# Altium PCB FMC_ADC_130M_16B_4CH.PcbDoc (part 2 of 8) (continued)
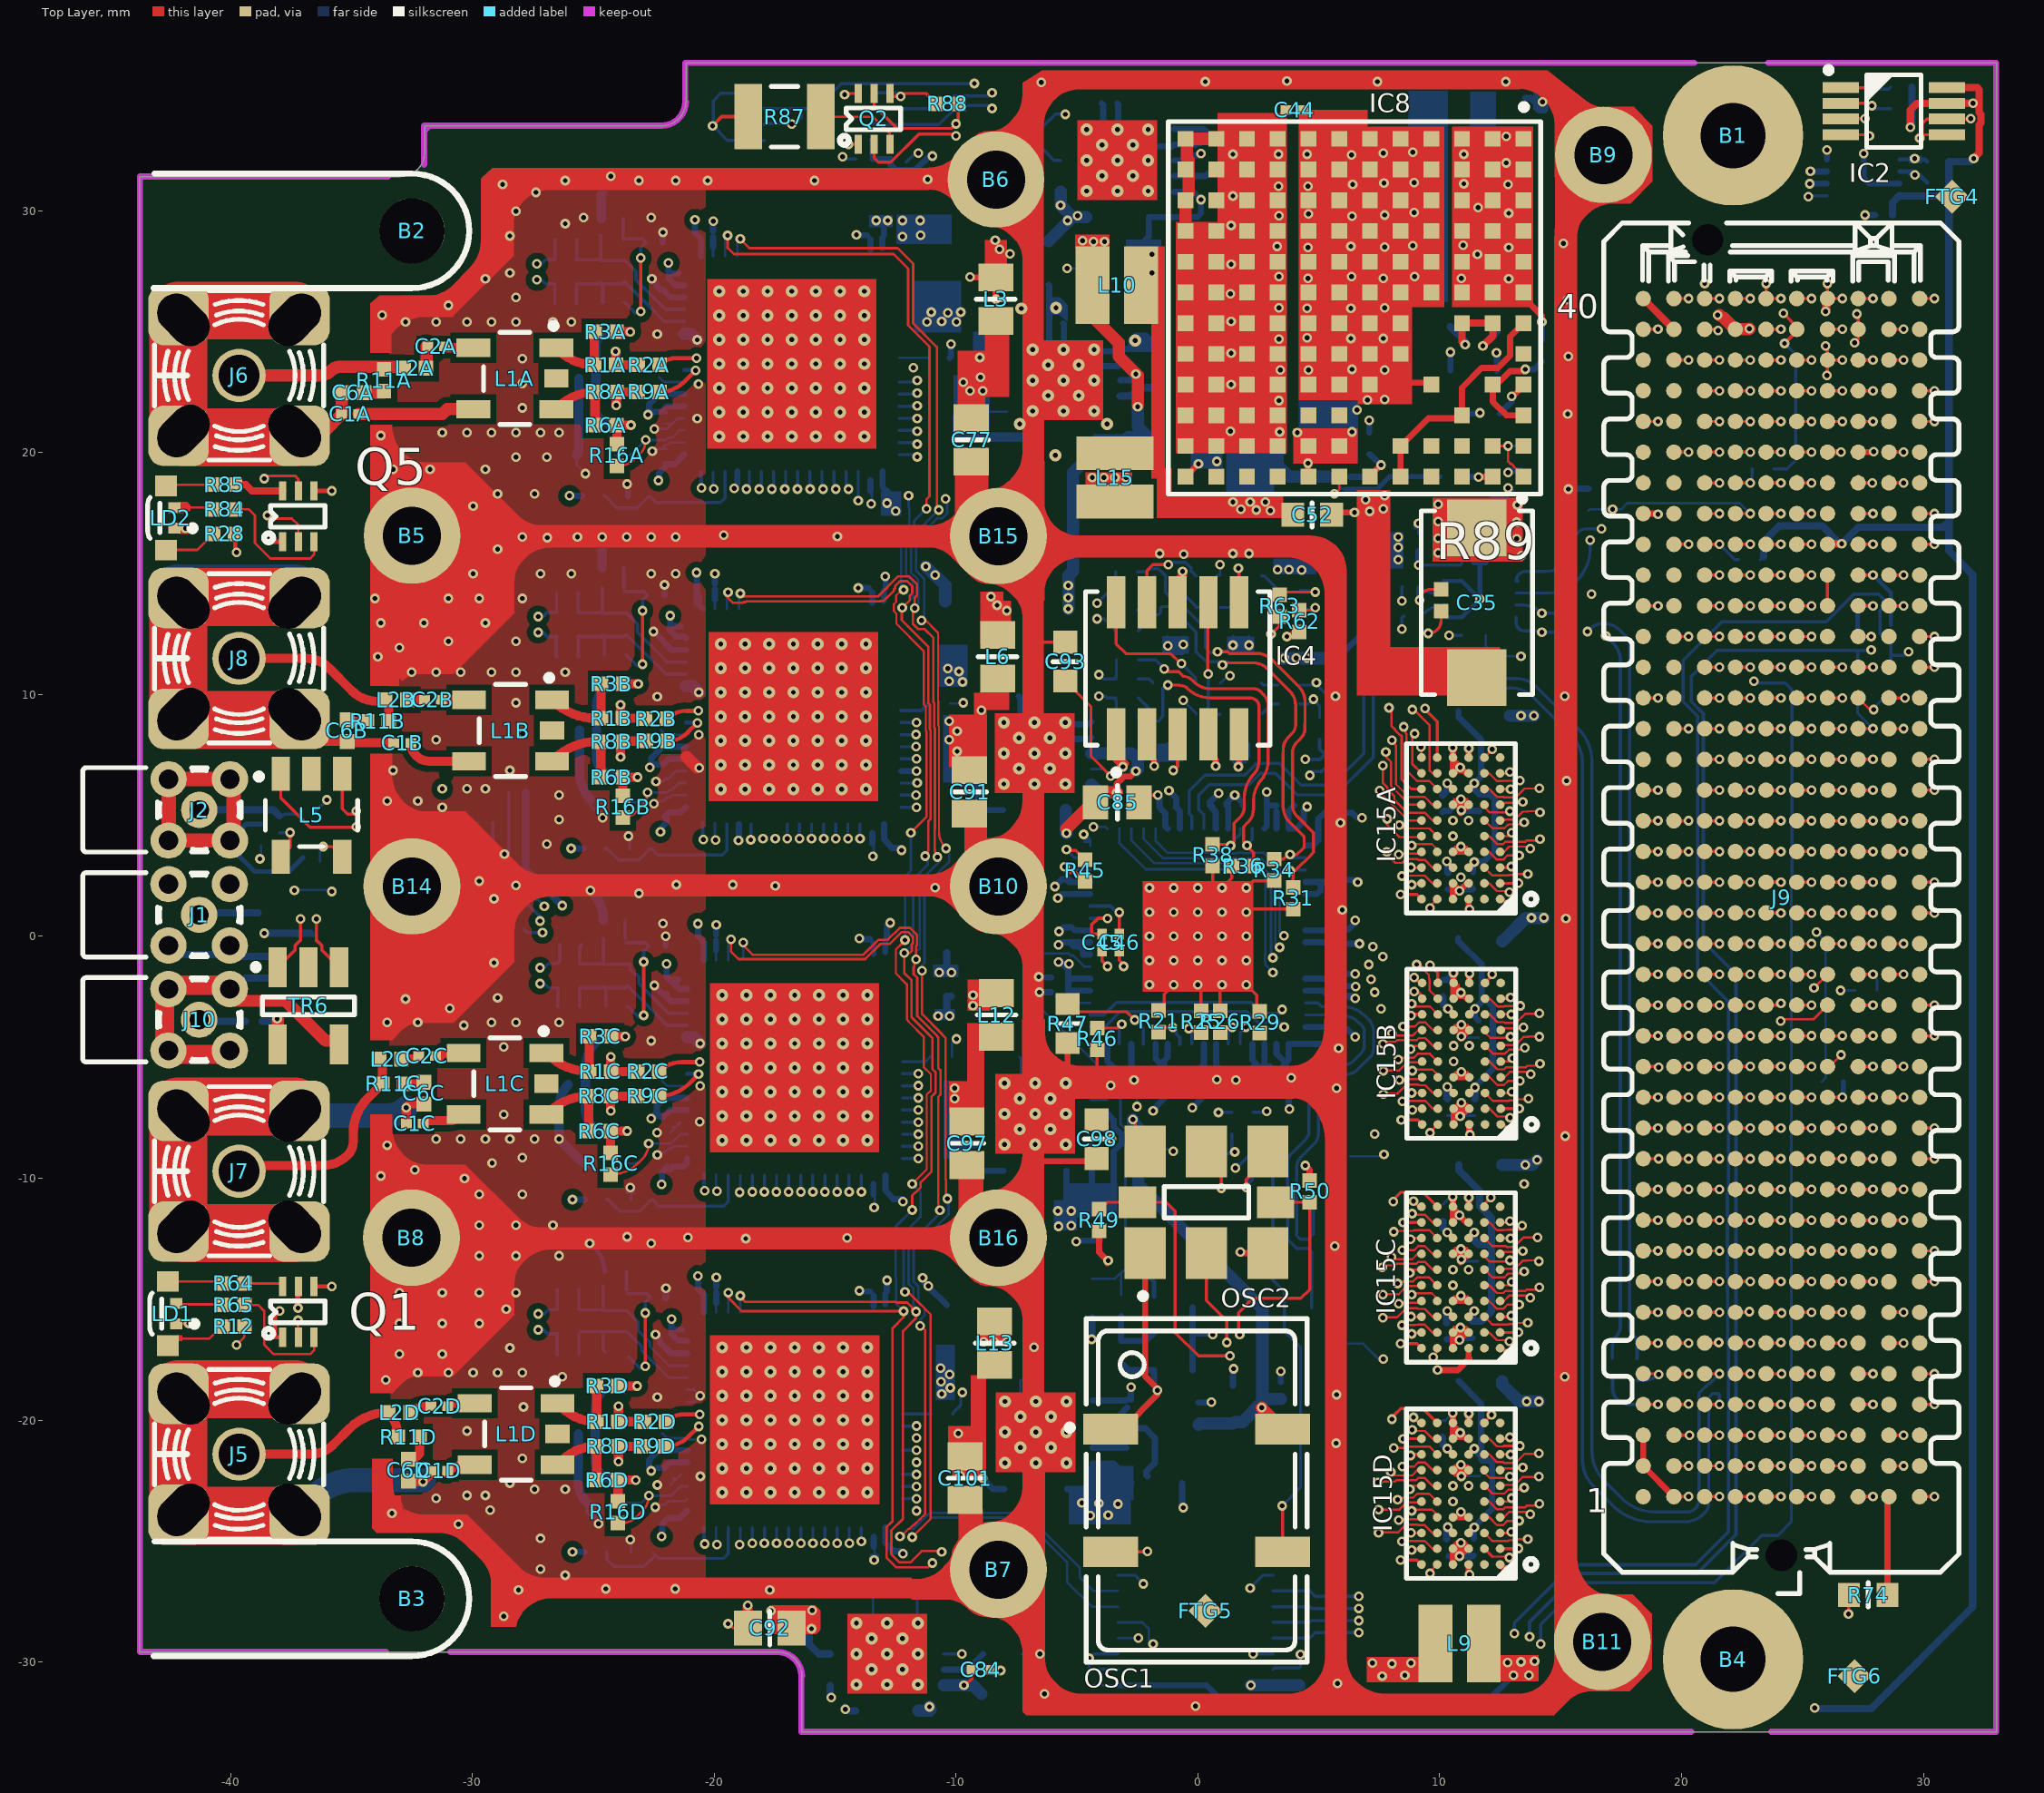
[diagram p0: Top Layer view]
## Part data (continued)
R23 R24 R27 R33 R35 R37 R39 R40 R41 R42 R56 R57 R58 R59 R60 R61 R62 R63 R66 R67 R68 R69 R70 R71 R72 R73 R77A R77B R77C R77D R86A R86B R86C R86D: library part R0402_0R_JUMPER, "Resistor - 1%"
R46: library part R0402_5K1_1%_0.0625W_100PPM, "Resistor - 1%"
R47: library part R0603_4K12_0.1%_0.063W_10PPM, "Resistor - 0.1%"
R49 R50 R54 R55: library part R0402_2K2_1%_0.0625W_100PPM, "Resistor - 1%"
R53: library part R0402_1R_1%_0.0625W_200PPM, "Resistor - 1%"
R74: library part R0603_4K7_1%_0.1W_100PPM, "Resistor - 1%"
R78 R79: library part R0402_100K_1%_0.0625W_100PPM, "Resistor - 1%"
R81 R82: library part R0402_150K_1%_0.0625W_100PPM, "Resistor - 1%"
R83: library part R0402_390K_1%_0.0625W_100PPM, "Resistor - 1%"
R87: library part R1210_270R_5%_0.5W_200PPM, "Resistor - 5%"
R88: library part R0402_4K7_1%_0.0625W_100PPM, "Resistor - 1%"
TR2 TR3 TR4 TR5: library part XFMR_ANAREN_BD0205F5050A00, "70MHz - 1000MHz Ultra Low Profile Sub-Miniature Balanced to Unbalanced Transformer"
TR6: library part XFMR_MINI-CIRCUITS_TC1-1+, "50 Ohm  0.4 To 500MHz RF Transformers"

## Free pads (board coordinates)
  round 0 on Mid1: EndPad(0.212,14.063) StartPad(0.465,15.059)

## Via types
v1: diameter 0.4, hole 0.2, Top Layer to Bottom Layer, tented both sides, 1471 vias
v2: diameter 0.5, hole 0.2, Top Layer to Bottom Layer, tented both sides, 280 vias
v3: diameter 0.4, hole 0.2, Top Layer to Bottom Layer, 14 vias

## Nets (pads, with @x,y where several pads share a name; then routed paths per layer and width w, separated by ;. In a path a pad name is that pad's centre, name@x,y a point inside that pad or via, vN(x,y) a via of type N, cw(c..) or ccw(c..) an arc to the next point about the centre after c; other vN are vias at no path point)
3P3VAUX: C31.1 C41.1 C74.1 IC2.7 IC2.8 IC5.8 IC13.8 J9.d32 R4.2 R5.2 R32.2 R43.2 R44.2 | length 206.3
  Top Layer w0.305: J9.d32@26.033,16.205 26.058,16.231 v1(26.619,16.231) ; v1(29.464,33.452) 29.464,34.163 29.738,34.437 IC2.7@30.978,34.437 v1@32.055,34.437 ; IC2.8@30.978,35.087 32.223,35.087 32.309,35.001 32.309,34.442 ; v1(32.08,32.156) 32.309,32.385 32.309,33.557 32.382,33.63 32.382,33.985 32.309,34.058 32.309,34.392
  L5 w0.305: v1(-26.289,1.27) -26.721,1.702 -27.534,1.702 -28.308,0.927 -29.731,0.927 -31.877,-1.219 -34.112,-1.219 -39.916,-7.023 -39.916,-7.658 -41.275,-9.017 -41.275,-10.414 -40.386,-11.303 -40.386,-19.898 -41.275,-20.787 -41.275,-22.098 -40.259,-23.114 -38.862,-23.114 -38.1,-22.352 -36.068,-22.352 -33.513,-24.907 -31.175,-24.907 -30.018,-26.064 -30.018,-28.732 -29.527,-29.223 -17.397,-29.223 -17.397,-29.219 -16.576,-29.219 -16.005,-29.79 -16.005,-31.595 -15.069,-32.53 10.573,-32.53 11.201,-31.902 v1(25.502,-31.902)
  Bottom Layer w0.127: R5.2@23.259,15.57 R5.2@23.393,15.704
  Bottom Layer w0.305: C41.1@-27.793,5.944 -27.793,2.774 v1(-26.289,1.27) ; R5.2@23.393,15.704 23.393,16.318 24.042,16.967 25.806,16.967 26.543,16.231 v1(26.619,16.231) 27.305,16.916 30.81,16.916 31.057,17.163 ; v1(25.502,-31.902) 25.527,-31.928 27.838,-31.928 32.029,-27.737 32.029,14.961 31.057,15.933 31.057,17.163 ; C31.1@28.722,29.82 28.722,30.333 IC5.8@29.008,30.619 29.015,30.612 30.84,30.612 31.057,30.828 ; v1(29.464,33.452) 29.533,33.521 R32.2@29.533,34.214 R4.2@29.533,35.103 ; C74.1@31.471,34.462 32.035,34.462 v1(32.055,34.442) ; v1(32.08,32.156) 31.953,32.029 R43.2@31.057,32.029 R44.2@31.057,31.166 31.057,30.828 ; 31.057,17.163 31.057,30.828
ACTIVE1_CLK_N: IC3.34 R34.1 R69.1 | length 18.1
  Top Layer w0.127: v1(1.016,11.227) 1.12,11.331 1.144,11.306 2.263,11.306 cw(c2.263,10.401) 2.903,11.041 3.787,10.158 cw(c3.17,9.541) 4.042,9.541 4.042,8.975 4.042,8.755 cw(c3.498,8.755) 3.883,8.37 3.715,8.202 3.715,8.19 ccw(c4.159,7.746) 3.531,7.746 3.531,7.59 3.522,7.582 3.522,5.375 ccw(c4.461,5.375) 3.797,4.712 4.394,4.115 4.394,3.679 4.322,3.607 ; R34.1@3.15,3.193 3.548,3.193 3.685,3.331 3.763,3.331 v1@3.785,3.353 ; v1(3.81,3.378) 4.09,3.378 4.32,3.609
  Bottom Layer w0.127: R69.1@-2.471,12.624 -1.789,13.306 -1.63,13.306 -1.546,13.39 -1.546,13.566 -1.481,13.631 -1.143,13.631 -0.076,12.564 -0.076,11.768 0.347,11.346 1.227,11.346 1.27,11.303 ; v1(3.81,3.378) 3.81,3.277 3.837,3.25 IC3.34@4.45,3.25
ACTIVE1_CLK_P: IC3.35 R31.1 R68.1 | length 19.7
  Top Layer w0.127: v1(0.813,11.768) 1.233,11.768 1.305,11.696 2.419,11.696 cw(c2.419,10.777) 3.069,11.427 4.174,10.322 ; v1@3.835,2.692 3.937,2.591 R31.1@3.937,2.025 ; v1@3.835,2.718 4.03,2.718 4.72,3.408 4.72,3.412 ; 4.174,10.321 cw(c3.551,9.699) 4.431,9.699 4.431,8.793 4.423,8.784 4.423,8.589 cw(c3.899,8.589) 4.269,8.218 4.269,8.206 4.1,8.037 ccw(c4.556,7.582) 3.912,7.582 3.912,5.406 ccw(c4.534,5.406) 4.094,4.966 4.783,4.276 4.783,3.475 4.72,3.412 ; 4.688,3.379 4.72,3.412
  Bottom Layer w0.127: R68.1@-2.496,15.062 -2.1,15.062 -1.969,15.193 -1.63,15.193 -1.343,14.906 -1.343,14.22 -1.143,14.02 -0.982,14.02 0.313,12.725 0.313,11.93 0.508,11.735 0.66,11.735 v1@0.813,11.887 ; v1(3.81,2.718) 3.842,2.75 IC3.35@4.45,2.75
ACTIVE2_CLK_N: IC3.28 R38.1 R71.1 | length 14.5
  Top Layer w0.127: v1(-1.245,10.389) -0.787,10.389 ccw(c-0.741,10.435) -0.741,10.369 -0.724,10.369 cw(c-0.724,9.957) -0.432,10.249 ccw(c0.517,11.197) 0.517,9.856 2.156,9.856 cw(c2.156,9.481) 2.421,9.746 ; R38.1@0.61,3.803 1.226,3.803 v1@1.295,3.734 ; v1(1.353,3.749) 1.502,3.898 1.502,4.679 1.736,4.912 ccw(c1.298,5.35) 1.917,5.35 1.917,5.723 cw(c3.337,5.723) 2.29,6.682 ccw(c1.717,7.255) 2.321,6.715 ccw(c1.717,7.255) 2.333,6.728 ccw(c1.717,7.255) 2.527,7.255 2.527,9.489 ccw(c2.164,9.489) 2.421,9.746
  Bottom Layer w0.127: R71.1@-2.471,9.068 -2.294,8.89 -1.753,8.89 ; -1.753,8.89 -1.676,8.89 -1.632,8.89 -1.55,8.972 -1.55,9.016 -1.448,9.119 -1.448,10.262 v1@-1.283,10.427 ; v1(1.353,3.749) 1.488,3.749 1.499,3.759 1.489,3.759 1.489,3.973 1.75,4.234 IC3.28@1.75,4.45
ACTIVE2_CLK_P: IC3.29 R36.1 R70.1 | length 14.3
  Top Layer w0.127: v1(-1.397,11.049) -1.286,10.938 -0.799,10.938 -0.611,10.75 cw(c-0.611,10.229) -0.242,10.597 -0.163,10.518 ccw(c0.517,11.197) 0.517,10.236 2.313,10.236 cw(c2.313,9.861) 2.578,10.126 2.702,10.002 cw(c2.206,9.506) 2.908,9.506 2.908,7.255 cw(c1.717,7.255) 2.713,6.603 ; v1(2.032,3.759) 1.883,3.909 1.883,4.521 2.066,4.705 ccw(c1.509,5.263) 2.297,5.263 2.297,5.585 cw(c3.668,5.585) 2.698,6.554 ; v1@2.057,3.708 2.304,3.462 R36.1@2.304,2.896 ; 2.559,6.413 ccw(c1.717,7.255) 2.713,6.603 ; 2.699,6.555 2.713,6.569 2.713,6.603
  Bottom Layer w0.127: R70.1@-2.471,11.43 -1.753,11.43 v1@-1.384,11.062 ; v1(2.032,3.759) 2.007,3.759 2.25,4.003 IC3.29@2.25,4.45
ACTIVE3_CLK_N: IC3.53 R29.1 R63.1 | length 23.1
  Top Layer w0.127: R29.1@2.515,-4.006 2.287,-3.779 v1@1.981,-3.779 ; v1@3.023,12.446 3.023,12.471 3.378,12.827 R63.1@3.378,13.215 ; v1@1.981,-3.779 v1(1.981,-3.759) 1.991,-3.769 v1@1.981,-3.779
  L5 w0.127: v1@1.981,-3.785 2.083,-3.683 2.179,-3.683 ; v1@2.13,-3.679 ccw(c2.13,-3.298) 2.399,-3.567 3.288,-2.679 3.293,-2.679 3.874,-2.099 ccw(c2.833,-1.057) 4.305,-1.057 4.305,0.713 cw(c5.619,0.713) 4.69,1.642 ccw(c3.937,2.396) 5.002,2.396 5.002,4.235 cw(c5.662,4.235) 5.196,4.702 ccw(c4.668,5.23) 5.414,5.23 5.414,8.02 cw(c6.299,8.02) 5.673,8.645 6.219,9.191 ccw(c5.574,9.837) 6.487,9.837 6.487,10.23 ccw(c5.302,10.23) 6.14,11.067 4.739,12.469 ccw(c3.666,11.396) 3.99,12.878 ccw(c3.666,11.396) 3.918,12.892 ccw(c3.666,11.396) 3.666,12.913 3.469,12.913 3.166,12.61 3.166,12.513 3.15,12.497 v1(3.023,12.497)
  Bottom Layer w0.127: IC3.53@1.75,-4.45 1.75,-3.99 v1(1.981,-3.759) 1.991,-3.769 1.981,-3.779 v1@1.981,-3.785
ACTIVE3_CLK_P: IC3.54 R26.1 R62.1 | length 20.3
  Top Layer w0.127: v1@3.683,12.37 3.893,12.58 R62.1@4.191,12.58
  Top Layer w0.135: 1.219,-3.81 cw(c1.283,-3.81) v1@1.238,-3.765
  L5 w0.127: v1@1.464,-3.659 1.825,-3.298 1.943,-3.298 ccw(c1.943,-2.845) 2.263,-3.165 3.602,-1.826 ccw(c2.833,-1.057) 3.92,-1.057 3.92,0.871 cw(c5.238,0.871) 4.306,1.803 ccw(c3.556,2.554) 4.617,2.554 4.617,4.393 cw(c5.281,4.393) 4.812,4.862 ; v1(3.683,12.395) 3.828,12.395 cw(c3.828,11.335) 4.577,12.085 5.847,10.816 cw(c5.232,10.201) 6.102,10.201 6.102,9.994 cw(c5.193,9.994) 5.836,9.352 ; 4.812,4.863 ccw(c4.287,5.388) 5.029,5.388 5.029,8.178 cw(c5.918,8.178) 5.29,8.806 5.835,9.352
  Bottom Layer w0.127: IC3.54@1.25,-4.45 1.25,-3.866
  other v1: 1.422,-3.759
ACTIVE4_CLK_N: IC3.57 R25.1 R67.1 | length 17.5
  Top Layer w0.127: v1(-0.381,-3.81) -0.044,-3.81 R25.1@0.127,-3.981 -0.109,-3.981 v1@-0.25,-3.839
  L5 w0.127: v1(-0.381,-3.81) -0.406,-3.785 -0.406,-3.099 -0.279,-2.972 1.41,-2.972 1.961,-2.421 2.228,-2.421 2.394,-2.255 2.394,-1.793 2.752,-1.434 2.752,2.981 3.048,3.277 3.048,5.062 4.623,6.637 v1(4.623,6.655)
  Bottom Layer w0.127: v1@-0.369,-3.914 -0.25,-4.033 IC3.57@-0.25,-4.45 ; v1(4.623,6.655) 4.775,6.807 5.08,6.807 ; 5.08,6.798 5.093,6.798 5.626,7.331 5.626,7.493 5.626,7.552 5.842,7.768 R67.1@5.842,8.135
ACTIVE4_CLK_P: IC3.58 R21.1 R66.1 | length 17.6
  Top Layer w0.145: R21.1@-1.626,-3.955 -1.44,-3.77 v1(-1.041,-3.77)
  L5 w0.127: v1(-1.041,-3.77) -1.041,-3.556 -0.796,-3.311 -0.796,-2.937 -0.441,-2.582 1.154,-2.582 1.539,-2.196 1.539,-1.722 1.765,-1.496 2.139,-1.496 2.362,-1.273 2.362,3.142 2.658,3.438 2.658,5.223 4.096,6.662 4.096,6.873 4.405,7.181 4.42,7.181 4.445,7.207 v1(4.445,7.315)
  Bottom Layer w0.145: v1(-1.041,-3.77) -0.908,-3.77 -0.908,-4.028 -0.75,-4.186 IC3.58@-0.75,-4.45 ; v1(4.445,7.315) 5.029,7.315 5.08,7.366 ; R66.1@5.029,8.135 5.029,7.742 5.236,7.535 5.236,7.493 5.095,7.351
ADC1_CLK_N: C11A.1 R57.2 R69.2 R86A.1 | length 54.2
  L5 w0.127: -27.423,29.245 -26.873,29.794 cw(c-25.831,28.752) -25.831,30.226 -20.086,30.226 -19.844,30.226 ccw(c-19.844,30.867) -19.391,30.414 ccw(c-20.273,31.296) -19.025,31.296 -19.025,31.956 cw(c-18.85,31.956) -18.974,32.08 -18.881,32.173 ; -27.417,29.239 ccw(c-27.26,29.082) -27.483,29.082 -27.483,28.937 ccw(c-27.223,28.937) -27.407,28.753 ccw(c-27.1,29.059) -27.1,28.626 -26.705,28.626 cw(c-26.705,28.357) -26.515,28.547 cw(c-26.815,28.247) -26.391,28.247 cw(c-26.824,28.247) -26.518,27.94 cw(c-26.863,28.285) -26.863,27.797 v1(-27.33,27.797) ; -18.881,32.173 cw(c-18.491,31.782) -18.491,32.334 -18.072,32.334 cw(c-18.072,31.814) -17.704,32.182 cw(c-18.01,31.875) -17.577,31.875 -17.577,29.238 ccw(c-15.72,29.238) -17.033,27.925 ccw(c-16.335,28.623) -16.335,27.636 -12,27.636 cw(c-12,25.096) -10.204,26.892 -8.726,25.414 ccw(c-7.468,26.672) -7.468,24.892 -4.92,24.892 ccw(c-4.92,27.094) -3.363,25.537 cw(c-2.53,24.704) -2.53,25.883 -2.235,25.883 cw(c-2.235,24.656) -1.368,25.523 -1.143,25.298 cw(c-2.247,24.195) -0.686,24.195 -0.686,21.215 cw(c-0.946,21.215) -0.762,21.031 -1.86,19.933 ccw(c-1.079,19.152) -2.184,19.152 -2.184,18.798 cw(c-3.66,18.798) -2.616,17.755 -4.675,15.695 ccw(c-4.067,15.088) -4.927,15.088 -4.927,13.806 -4.243,13.122 v1(-4.166,13.122)
  Bottom Layer w0.127: v1(-27.33,27.797) -27.138,27.797 -26.969,27.965 R86A.1@-26.591,27.965 ; R86A.1@-26.586,27.971 C11A.1@-26.586,28.797 ; v1(-4.166,13.122) -3.869,13.122 R69.2@-3.438,12.691 ; R57.2@-3.396,13.487 -3.396,12.733 R69.2@-3.438,12.691 ; R69.2@-3.378,12.7 -3.404,12.7 R69.2@-3.425,12.678 ; R69.2@-3.371,12.624 -3.413,12.666 R69.2@-3.425,12.678 ; R69.2@-3.438,12.691 -3.454,12.675 -3.429,12.675 R69.2@-3.425,12.678 ; R69.2@-3.438,12.691 R69.2@-3.425,12.678
ADC1_CLK_P: C9A.1 R56.2 R68.2 R77A.1 | length 54.1
  L5 w0.127: v1(-27.33,27.143) -27.408,27.143 -27.965,27.7 -27.965,28.854 cw(c-27.033,28.854) -27.692,29.514 -27.142,30.063 cw(c-25.831,28.752) -25.831,30.607 -20.244,30.607 ; -20.243,30.607 -19.844,30.607 ccw(c-19.844,30.867) -19.66,30.683 ccw(c-20.273,31.296) -19.406,31.296 -19.406,31.956 cw(c-18.85,31.956) -19.243,32.349 -19.151,32.442 cw(c-18.491,31.782) -18.491,32.715 -18.072,32.715 cw(c-18.072,31.814) -17.435,32.451 cw(c-18.01,31.875) -17.196,31.875 -17.196,29.238 ccw(c-15.72,29.238) -16.764,28.194 ccw(c-16.335,28.623) -16.335,28.016 -12,28.016 cw(c-12,25.096) -9.935,27.161 -8.457,25.683 ccw(c-7.468,26.672) -7.468,25.273 -4.92,25.273 ccw(c-4.92,27.094) -3.632,25.806 cw(c-2.53,24.704) -2.53,26.263 -2.235,26.263 cw(c-2.235,24.656) -1.099,25.792 -0.874,25.567 cw(c-2.247,24.195) -0.305,24.195 -0.305,21.215 cw(c-0.946,21.215) -0.493,20.762 -1.591,19.664 ccw(c-1.079,19.152) -1.803,19.152 -1.803,18.798 cw(c-3.66,18.798) -2.347,17.486 -4.406,15.426 ccw(c-4.067,15.088) -4.547,15.088 -4.547,14.157 v1(-4.166,13.776)
  Bottom Layer w0.127: v1(-27.33,27.143) -27.138,27.143 -26.969,26.975 R77A.1@-26.591,26.975 ; C9A.1@-26.593,26.16 R77A.1@-26.593,26.974 ; v1(-4.166,13.776) -3.641,14.301 -3.641,14.275 R56.2@-3.396,14.275 ; R56.2@-3.48,14.122 -3.396,14.206 R56.2@-3.396,14.275 ; R68.2@-3.396,15.062 R56.2@-3.396,14.275
ADC1_CLKA_N: C11A.2 C13A.1 IC1A.13 R15A.2 R18A.2 R86A.2 | length 7.4
  Bottom Layer w0.135: R86A.2@-25.691,27.965 -24.726,27.965 C13A.1@-24.694,27.933 ; R86A.2@-25.686,27.971 C11A.2@-25.686,28.797 ; R18A.2@-24.712,28.981 -24.694,28.963 C13A.1@-24.694,27.933 ; R15A.2@-23.703,27.958 R15A.2@-23.678,27.933 ; IC1A.13@-21.244,25.916 -22.012,25.916 -22.475,26.379 -23.234,27.139 -23.234,27.489 R15A.2@-23.678,27.933 ; C13A.1@-24.694,27.933 R15A.2@-23.678,27.933
ADC1_CLKA_P: C9A.2 C13A.2 IC1A.12 R15A.1 R17A.2 R77A.2 | length 6.8
  Bottom Layer w0.135: C9A.2@-25.693,26.16 R77A.2@-25.693,26.974 ; R77A.2@-25.693,26.975 C13A.2@-24.636,26.975 ; C13A.2@-24.694,27.033 C13A.2@-24.636,26.975 ; R17A.2@-24.605,26.213 -24.605,26.945 C13A.2@-24.636,26.975 ; -22.864,26.218 -22.062,25.416 IC1A.12@-21.244,25.416 ; -22.864,26.219 R15A.1@-23.703,27.058 -23.786,26.975 C13A.2@-24.636,26.975
ADC1_CLKB_N: C11B.2 C13B.1 IC1B.13 R15B.2 R18B.2 R86B.2 | length 7.4
  Bottom Layer w0.135: R86B.2@-25.631,13.389 -25.631,14.171 cw(c-25.586,14.171) C11B.2@-25.618,14.203 ; R86B.2@-25.622,13.386 -24.657,13.386 C13B.1@-24.625,13.353 ; R18B.2@-24.643,14.402 -24.625,14.384 C13B.1@-24.625,13.353 ; R15B.2@-23.634,13.379 R15B.2@-23.609,13.353 ; IC1B.13@-21.175,11.336 -21.943,11.336 -22.406,11.799 -23.165,12.559 -23.165,12.91 R15B.2@-23.609,13.353 ; C13B.1@-24.625,13.353 R15B.2@-23.609,13.353
ADC1_CLKB_P: C9B.2 C13B.2 IC1B.12 R15B.1 R17B.2 R77B.2 | length 6.8
  Bottom Layer w0.135: R77B.2@-25.622,12.395 C13B.2@-24.567,12.395 ; C13B.2@-24.625,12.453 C13B.2@-24.567,12.395 ; R17B.2@-24.536,11.633 -24.536,12.365 C13B.2@-24.567,12.395 ; -22.795,11.638 -21.993,10.836 IC1B.12@-21.175,10.836 ; -22.795,11.639 R15B.1@-23.634,12.479 -23.717,12.395 C13B.2@-24.567,12.395
  Bottom Layer w0.145: R77B.2@-25.622,12.395 cw(c-25.648,12.37) -25.612,12.37 C9B.2@-25.612,11.567
ADC1_CLKC_N: C11C.2 C13C.1 IC1C.13 R15C.2 R18C.2 R86C.2 | length 7.6
  Bottom Layer w0.135: R86C.2@-25.57,-1.132 R86C.2@-25.567,-1.132 ; R86C.2@-25.567,-1.138 R86C.2@-25.567,-1.132 ; C11C.2@-25.482,-0.332 ccw(c-25.276,-0.538) -25.567,-0.538 R86C.2@-25.567,-1.132 ; R18C.2@-24.59,-0.116 -24.572,-0.134 C13C.1@-24.572,-1.165 ; R15C.2@-23.581,-1.139 R15C.2@-23.475,-1.139 ; -22.353,-2.719 -21.89,-3.182 IC1C.13@-21.123,-3.182 ; -22.353,-2.718 -23.112,-1.959 -23.112,-1.669 -23.211,-1.57 -23.281,-1.57 -23.475,-1.377 R15C.2@-23.475,-1.139 ; R86C.2@-25.567,-1.132 -24.604,-1.132 C13C.1@-24.572,-1.165 ; C13C.1@-24.572,-1.165 -23.5,-1.165 R15C.2@-23.475,-1.139
ADC1_CLKC_P: C9C.2 C13C.2 IC1C.12 R15C.1 R17C.2 R77C.2 | length 6.8
  Bottom Layer w0.127: C9C.2@-25.573,-2.918 R77C.2@-25.573,-2.127
  Bottom Layer w0.135: R77C.2@-25.57,-2.123 C13C.2@-24.514,-2.123 ; C13C.2@-24.572,-2.065 C13C.2@-24.514,-2.123 ; R17C.2@-24.484,-2.885 -24.484,-2.153 C13C.2@-24.514,-2.123 ; -22.742,-2.88 -21.94,-3.682 IC1C.12@-21.123,-3.682 ; -22.742,-2.879 R15C.1@-23.581,-2.039 -23.665,-2.123 C13C.2@-24.514,-2.123
ADC1_CLKD_N: C11D.2 C13D.1 IC1D.13 R15D.2 R18D.2 R86D.2 | length 7.7
  Bottom Layer w0.111: R86D.2@-25.598,-15.437 C11D.2@-25.598,-14.576 ; R86D.2@-25.592,-15.443 -24.627,-15.443 C13D.1@-24.594,-15.476 ; R18D.2@-24.613,-14.427 -24.594,-14.445 C13D.1@-24.594,-15.476 ; IC1D.13@-21.12,-17.747 -21.868,-17.747 -22.654,-16.96 -22.654,-16.784 -23.147,-16.291 -23.147,-15.942 -23.604,-15.485 R15D.2@-23.604,-15.45 -23.629,-15.476 C13D.1@-24.594,-15.476
ADC1_CLKD_P: C9D.2 C13D.2 IC1D.12 R15D.1 R17D.2 R77D.2 | length 7.1
  Bottom Layer w0.111: C9D.2@-25.598,-17.304 R77D.2@-25.598,-16.469 R77D.2@-25.598,-16.44 ; R77D.2@-25.592,-16.434 -25.509,-16.35 R15D.1@-23.604,-16.35 -23.019,-16.935 -23.019,-17.111 -21.984,-18.146 -21.884,-18.247 IC1D.12@-21.12,-18.247 ; C13D.2@-24.594,-16.376 -24.594,-17.108 R17D.2@-24.506,-17.196
ADC2_CLK_N: C11B.1 R41.2 R71.2 R86B.1 | length 54.2
  L5 w0.127: v1(-27.28,13.217) -27.934,13.217 cw(c-27.934,14.052) -28.524,13.462 cw(c-28.218,13.769) -28.651,13.769 -28.651,14.884 cw(c-28.222,14.884) -28.526,15.188 -28.448,15.265 cw(c-27.835,14.652) -27.835,15.519 -26.884,15.519 cw(c-26.884,15.433) -26.822,15.494 cw(c-27.129,15.187) -26.695,15.187 -26.695,12.048 cw(c-27.389,12.048) -26.899,11.557 ccw(c-25.478,10.137) -27.487,10.137 -27.487,7.408 ccw(c-26.755,7.408) -27.273,6.89 ccw(c-26.755,7.408) -26.755,6.676 -25.33,6.676 ccw(c-25.33,7.321) -24.874,6.865 ccw(c-25.146,7.137) -24.761,7.137 -24.761,14.206 cw(c-23.325,14.206) -24.34,15.222 cw(c-23.437,14.319) -23.437,15.596 -19.228,15.594 ccw(c-19.228,15.788) -19.033,15.788 cw(c-18.711,15.788) -18.39,15.788 ccw(c-17.679,15.788) -16.968,15.788 cw(c-16.646,15.788) -16.325,15.788 -16.325,15.59 ccw(c-15.449,15.59) -16.068,14.971 -16.031,14.933 ccw(c-15.545,15.42) -15.545,14.732 -15.538,14.732 ccw(c-15.538,15.893) -14.717,15.072 -14.415,15.374 cw(c-13.879,14.837) -13.879,15.596 cw(c-13.879,13.056) -12.083,14.852 -8.265,11.033 ccw(c-6.196,13.102) -6.196,10.177 -6.055,10.177 cw(c-6.055,9.947) -5.893,10.109 cw(c-6.138,9.864) -5.791,9.864 -5.791,9.607 ccw(c-5.531,9.607) -5.715,9.423 ccw(c-5.531,9.607) -5.531,9.347 -5.442,9.347 ccw(c-5.442,9.607) -5.258,9.423 ccw(c-5.38,9.546) -5.207,9.546 -5.207,9.961 cw(c-5.034,9.961) -5.156,10.084 cw(c-4.922,9.85) -4.922,10.181 -4.714,10.181 cw(c-4.714,9.297) v1(-4.089,9.922)
  Bottom Layer w0.127: R86B.1@-26.518,13.39 C11B.1@-26.518,14.203 ; v1(-4.089,9.922) -3.82,9.922 -3.754,9.855 R41.2@-3.404,9.855 ; R41.2@-3.404,9.779 -3.371,9.746 R71.2@-3.371,9.068
  Bottom Layer w0.145: v1(-27.28,13.217) -27.087,13.217 -26.919,13.386 R86B.1@-26.522,13.386
ADC2_CLK_P: C9B.1 R33.2 R70.2 R77B.1 | length 54.4
  L5 w0.127: -23.437,15.981 -19.395,15.983 cw(c-18.711,15.788) -18.001,15.788 ccw(c-17.679,15.788) -17.357,15.788 cw(c-16.646,15.788) -15.935,15.788 -15.935,15.57 ccw(c-15.469,15.57) -15.799,15.24 -15.762,15.203 ccw(c-15.545,15.42) -15.545,15.113 -15.538,15.113 ccw(c-15.538,15.893) -14.986,15.342 -14.678,15.65 cw(c-13.879,14.852) -13.879,15.981 ; -4.344,10.566 v1(-4.089,10.82)
  L5 w0.135: v1(-27.28,12.564) -27.285,12.564 cw(c-27.285,14.701) -28.797,13.19 cw(c-28.218,13.769) -29.036,13.769 -29.036,14.884 cw(c-28.222,14.884) -28.798,15.46 -28.72,15.538 cw(c-27.835,14.652) -27.835,15.905 -26.884,15.905 cw(c-26.884,15.433) -26.55,15.766 cw(c-27.129,15.187) -26.31,15.187 -26.31,12.048 cw(c-27.389,12.048) -26.626,11.285 ccw(c-25.478,10.137) -27.102,10.137 -27.102,7.408 ccw(c-26.755,7.408) -27,7.163 ccw(c-26.755,7.408) -26.755,7.061 -25.33,7.061 ccw(c-25.33,7.321) -25.146,7.137 -25.146,14.206 cw(c-23.325,14.206) -24.613,15.494 cw(c-23.437,14.319) -23.437,15.981 ; -13.879,15.981 cw(c-13.879,13.056) -11.811,15.124 -7.996,11.31 ccw(c-6.2,13.106) -6.2,10.566 -4.344,10.566
  Bottom Layer w0.127: v1(-4.089,10.82) -3.912,10.643 R33.2@-3.371,10.643 ; R33.2@-3.429,10.693 -3.371,10.751 R70.2@-3.371,11.43
  Bottom Layer w0.145: v1(-27.28,12.564) -27.087,12.564 -26.919,12.395 R77B.1@-26.522,12.395 ; R77B.1@-26.531,12.387 -26.531,11.615 ccw(c-26.465,11.615) C9B.1@-26.512,11.567
ADC3_CLK_N: C11C.1 R61.2 R63.2 R86C.1 | length 53.6
  Top Layer w0.127: R63.2@3.454,14.173 3.515,14.233 v1(4.851,14.233)
  L5 w0.127: v1(-27.203,-1.301) -27.067,-1.437 -25.96,-1.437 ccw(c-25.96,-0.121) -25.03,-1.052 ; -25.029,-1.051 -22.925,1.052 cw(c-21.848,-0.025) -21.848,1.499 -21.324,1.499 cw(c-20.646,1.306) -19.968,1.499 -18.085,1.499 cw(c-18.085,1.306) -17.893,1.306 ccw(c-17.573,1.306) -17.254,1.306 cw(c-16.549,1.306) -15.844,1.306 ccw(c-15.525,1.306) -15.205,1.306 cw(c-14.5,1.306) -13.796,1.306 ccw(c-13.476,1.306) -13.156,1.306 cw(c-12.964,1.306) -12.964,1.499 -11.871,1.499 cw(c-11.871,-0.39) -10.535,0.945 -10.262,0.672 -10.262,0.666 -9.611,0.015 cw(c-10.678,-1.051) -9.169,-1.051 -9.169,-1.168 ccw(c-8.801,-1.168) -9.062,-1.428 ; -9.062,-1.429 -8.526,-1.965 ccw(c-8.179,-1.618) -8.179,-2.108 ccw(c-8.179,-1.74) -7.919,-2.001 ; -7.919,-2 -7.852,-1.934 ccw(c-8.719,-1.067) -7.493,-1.067 cw(c-5.469,-1.067) -6.9,0.364 -6.588,0.676 ; -6.588,0.677 -6.31,0.955 cw(c-5.784,0.429) -5.784,1.173 -5.572,1.173 ; -5.626,1.168 ccw(c-5.626,1.52) -5.572,1.173 ; -0.937,5.743 -1.416,5.264 cw(c-2.157,6.004) -2.157,4.957 -2.822,4.957 ccw(c-2.822,3.966) -3.523,4.667 -4.429,3.761 ccw(c-3.655,2.987) -4.75,2.987 -4.75,2.333 cw(c-5.782,2.333) -5.052,1.603 -5.173,1.482 -5.173,1.476 -5.378,1.271 cw(c-5.626,1.52) -5.419,1.236 cw(c-5.626,1.52) -5.572,1.173 ; -0.936,5.744 ccw(c-1.566,6.372) -0.676,6.372 -0.676,6.934 cw(c0.354,6.934) -0.375,7.662 -0.249,7.788 ccw(c-1.444,8.983) 0.246,8.983 0.246,9.316 ccw(c-0.548,9.316) 0.013,9.877 -0.02,9.91 cw(c0.768,10.698) -0.346,10.698 -0.346,11.274 cw(c1.041,11.274) 0.06,12.254 1.556,13.75 cw(c2.393,12.913) 2.393,14.097 4.715,14.097 v1(4.851,14.233)
  Bottom Layer w0.127: v1(-27.203,-1.301) -27.036,-1.301 -26.868,-1.132 -26.47,-1.132 ccw(c-26.682,-0.92) -26.382,-0.92 C11C.1@-26.382,-0.332 ; R61.2@4.235,14.3 4.603,14.3 4.67,14.233 v1(4.851,14.233)
ADC3_CLK_P: C9C.1 R60.2 R62.2 R77C.1 | length 53.6
  Top Layer w0.127: R62.2@4.191,13.48 4.819,13.48 4.877,13.538 v1@4.877,13.564
  L5 w0.127: v1(-27.203,-1.954) -27.203,-2.229 ccw(c-26.943,-2.229) -27.127,-2.413 -27.126,-2.414 ccw(c-26.822,-2.111) -26.822,-2.54 -26.763,-2.54 ccw(c-26.763,-2.193) -26.518,-2.438 -26.48,-2.401 ccw(c-26.697,-2.184) -26.391,-2.184 -26.391,-2.165 cw(c-26.13,-2.165) -26.314,-1.981 cw(c-25.956,-2.34) -25.956,-1.833 ccw(c-25.956,-0.121) -24.745,-1.331 ; -24.755,-1.322 -22.653,0.78 cw(c-21.848,-0.025) -21.848,1.113 -21.158,1.113 ccw(c-21.158,1.306) -20.966,1.306 cw(c-20.646,1.306) -20.326,1.306 ccw(c-20.134,1.306) -20.134,1.113 -18.251,1.113 ccw(c-17.573,1.306) -16.868,1.306 cw(c-16.549,1.306) -16.229,1.306 ccw(c-15.525,1.306) -14.82,1.306 cw(c-14.5,1.306) -14.181,1.306 ccw(c-13.476,1.306) -12.798,1.113 -12.029,1.113 cw(c-12.029,-0.771) -10.696,0.562 ; -10.696,0.561 -9.881,-0.254 cw(c-10.678,-1.051) -9.55,-1.051 -9.55,-1.168 ccw(c-8.801,-1.168) -9.331,-1.698 -8.795,-2.234 ccw(c-8.179,-1.618) -8.179,-2.489 ccw(c-8.179,-1.74) -7.649,-2.27 ; -7.649,-2.27 -7.583,-2.203 ccw(c-8.719,-1.067) -7.112,-1.067 cw(c-5.484,-1.067) -6.635,0.085 -6.149,0.571 cw(c-5.626,0.048) -5.626,0.787 ccw(c-5.626,1.52) -5.108,1.002 -4.668,1.442 ; -4.667,1.443 ccw(c-5.401,2.175) -4.365,2.175 -4.365,2.85 cw(c-3.325,2.85) -4.06,3.585 -3.363,4.283 cw(c-2.664,3.585) -2.664,4.572 -1.999,4.572 ccw(c-1.999,5.623) -1.256,4.879 ; -1.256,4.88 -0.553,5.583 ccw(c-1.185,6.214) -0.291,6.214 -0.291,6.934 cw(c0.368,6.934) -0.098,7.4 0.02,7.518 ccw(c-1.444,8.983) 0.627,8.983 0.627,9.316 ccw(c-0.548,9.316) 0.283,10.146 cw(c0.872,10.735) 0.039,10.735 0.039,11.222 cw(c1.166,11.222) 0.369,12.018 1.828,13.478 ; 1.829,13.478 cw(c2.393,12.913) 2.393,13.712 4.719,13.712 v1(4.851,13.58)
  Bottom Layer w0.127: v1(-27.203,-1.954) -27.036,-1.954 -26.868,-2.123 R77C.1@-26.47,-2.123 ; C9C.1@-26.467,-2.912 R77C.1@-26.467,-2.126 ; R60.2@4.235,13.513 4.603,13.513 4.67,13.58 v1(4.851,13.58)
ADC4_CLK_N: C11D.1 R59.2 R67.2 R86D.1 | length 52.3
  L5 w0.127: v1(-27.28,-15.612) -27.143,-15.748 -25.502,-15.748 ccw(c-25.502,-14.153) -24.374,-15.281 ; -24.374,-15.281 -22.861,-13.768 cw(c-21.131,-15.499) -21.131,-13.051 -12.484,-13.051 ccw(c-12.484,-11.477) -11.371,-12.59 -9.9,-11.119 ccw(c-11.049,-9.969) -9.423,-9.969 -9.423,-6.942 ; -9.419,-6.942 -9.419,-6.302 cw(c-7.316,-6.302) -9.18,-5.328 cw(c-7.316,-6.302) -8.803,-4.815 -8.563,-4.575 cw(c-8.034,-5.104) -8.034,-4.356 ccw(c-8.034,-3.192) -7.211,-4.015 -5.059,-1.863 ccw(c-5.439,-1.483) -4.902,-1.483 -4.902,-1.268 cw(c-4.141,-1.268) -4.699,-0.752 cw(c-4.141,-1.268) -4.679,-0.731 -3.804,0.144 ; -3.804,0.145 cw(c-3.345,-0.315) -3.345,0.334 -3.284,0.334 ccw(c-3.284,0.854) -2.917,0.486 ccw(c-3.337,0.906) -2.743,0.906 -2.743,2.041 cw(c-1.415,2.041) -2.355,2.979 -0.501,4.833 cw(c0.279,4.054) 0.279,5.156 0.844,5.156 ccw(c0.844,6.368) 1.7,5.51 1.9,5.71 ccw(c1.377,6.232) 2.116,6.232 2.116,7.963 cw(c3.295,7.963) 2.461,8.797 3.557,9.893 cw(c4.273,9.176) 4.273,10.19 4.428,10.19 4.729,10.49 v1(4.902,10.49)
  Bottom Layer w0.127: v1(-27.28,-15.612) -27.036,-15.612 -26.868,-15.443 R86D.1@-26.492,-15.443 ; R86D.1@-26.489,-15.439 C11D.1@-26.489,-14.585 ; R59.2@4.209,10.389 v1@4.801,10.389 ; v1@4.953,10.358 5.293,10.019 5.293,9.846 5.359,9.779 5.362,9.779 5.549,9.592 5.597,9.592 5.842,9.347 R67.2@5.842,9.035
ADC4_CLK_P: C9D.1 R58.2 R66.2 R77D.1 | length 52.3
  L5 w0.127: -26.105,-16.256 -25.641,-16.256 ccw(c-25.641,-14.237) -24.213,-15.665 -22.7,-14.151 cw(c-20.973,-15.88) -20.973,-13.437 -12.327,-13.437 ccw(c-12.327,-11.858) -11.21,-12.974 -9.516,-11.279 ccw(c-10.668,-10.127) -9.038,-10.127 -9.038,-6.302 cw(c-7.316,-6.302) -8.865,-5.55 cw(c-7.316,-6.302) -8.534,-5.085 -8.294,-4.845 cw(c-8.034,-5.104) -8.034,-4.737 ccw(c-8.034,-3.192) -6.942,-4.285 -4.79,-2.133 ccw(c-5.439,-1.483) -4.783,-2.126 ccw(c-5.439,-1.483) -4.521,-1.483 -4.521,-1.268 cw(c-4.155,-1.268) -4.414,-1.01 -3.643,-0.24 cw(c-3.187,-0.696) -3.187,-0.051 ccw(c-3.187,0.619) -2.714,0.145 -2.533,0.326 -2.533,0.332 ccw(c-2.946,0.744) -2.362,0.744 -2.362,1.107 -2.358,1.111 -2.358,2.041 cw(c-1.415,2.041) -2.082,2.707 ; -2.082,2.707 -0.34,4.45 ; -0.339,4.45 cw(c0.436,3.673) 0.436,4.771 0.992,4.771 ccw(c0.992,6.012) 1.869,5.134 ; 1.869,5.134 2.283,5.549 ccw(c1.758,6.074) 2.501,6.074 2.501,7.927 cw(c3.384,7.927) 2.759,8.55 ; 2.759,8.551 3.829,9.62 cw(c4.273,9.176) 4.273,9.804 v1(4.775,9.804)
  L5 w0.135: v1(-27.28,-16.265) -27.28,-16.646 ccw(c-26.933,-16.646) -27.178,-16.891 ccw(c-26.933,-16.646) -26.933,-16.993 -26.788,-16.993 ccw(c-26.788,-16.646) -26.543,-16.891 ccw(c-26.666,-16.768) -26.492,-16.768 -26.492,-16.563 cw(c-26.243,-16.563) -26.419,-16.386 cw(c-26.105,-16.7) -26.105,-16.256
  Bottom Layer w0.127: R58.2@4.209,9.601 4.577,9.601 4.775,9.799 v1(4.775,9.804) ; v1@4.801,9.754 5.029,9.525 R66.2@5.029,9.035
  Bottom Layer w0.145: v1(-27.28,-16.265) -27.061,-16.265 -26.893,-16.434 R77D.1@-26.492,-16.434 ; C9D.1@-26.498,-17.304 R77D.1@-26.498,-16.469
AINA_N: IC1A.9 R2A.2 | length 2.2
  Top Layer w0.127: v1@-20.777,23.952 v1(-20.726,23.901)
  Top Layer w0.178: R2A.2@-22.258,23.622 cw(c-21.583,22.947) -21.583,23.901 v1(-20.726,23.901)
  Bottom Layer w0.127: IC1A.9@-21.244,23.916 -20.741,23.916 v1(-20.726,23.901)
AINA_P: IC1A.8 R9A.2 | length 2.4
  Top Layer w0.162: v1@-20.854,23.4 v1(-20.767,23.4)
  Top Layer w0.178: R9A.2@-22.258,22.504 ccw(c-22.258,23.94) -21.242,22.925 v1(-20.767,23.4)
  Bottom Layer w0.162: IC1A.8@-21.244,23.416 -20.784,23.416 v1(-20.767,23.4)
AINB_N: IC1B.9 R2B.2 | length 2
  Top Layer w0.127: v1@-20.708,9.373 v1(-20.657,9.322)
  Top Layer w0.178: R2B.2@-21.953,8.992 cw(c-21.156,8.194) -21.156,9.322 v1(-20.657,9.322)
  Bottom Layer w0.127: IC1B.9@-21.175,9.336 -20.672,9.336 v1(-20.657,9.322)
AINB_P: IC1B.8 R9B.2 | length 2
  Top Layer w0.178: R9B.2@-21.927,8.077 ccw(c-21.927,9.25) -21.098,8.421 v1(-20.698,8.82)
  Bottom Layer w0.162: IC1B.8@-21.175,8.836 -20.715,8.836 v1(-20.698,8.82)
AINC_N: IC1C.9 R2C.2 | length 2.3
  Top Layer w0.178: R2C.2@-22.283,-5.588 cw(c-21.337,-6.534) -21.337,-5.196 v1(-20.605,-5.196)
  Bottom Layer w0.127: IC1C.9@-21.123,-5.182 -20.619,-5.182 v1(-20.605,-5.196)
AINC_P: IC1C.8 R9C.2 | length 2.4
  Top Layer w0.178: R9C.2@-22.283,-6.604 ccw(c-22.283,-4.839) -21.035,-6.087 v1(-20.646,-5.698)
  Bottom Layer w0.162: IC1C.8@-21.123,-5.682 -20.662,-5.682 v1(-20.646,-5.698)
AIND_N: IC1D.9 R2D.2 | length 2.1
  Top Layer w0.127: v1@-20.653,-19.71 v1(-20.602,-19.761)
  Top Layer w0.178: R2D.2@-22.004,-20.066 ccw(c-22.004,-19.926) -21.905,-20.025 cw(c-21.268,-20.662) -21.268,-19.761 v1(-20.602,-19.761)
  Bottom Layer w0.127: IC1D.9@-21.12,-19.747 -20.616,-19.747 v1(-20.602,-19.761)